# Altium PCB Archim.PcbDoc (part 5 of 5)
Units mil, origin at the board's own origin, x right, y up, seen from the top; angles counter-clockwise.
Board outline 4100 x 4050 mil, 4 copper layers (Top Layer, Ground Plane, Power Plane, Bottom Layer), stack 59.2 mil thick; 511 components, 264 nets, 1461 pads, 1193 vias.
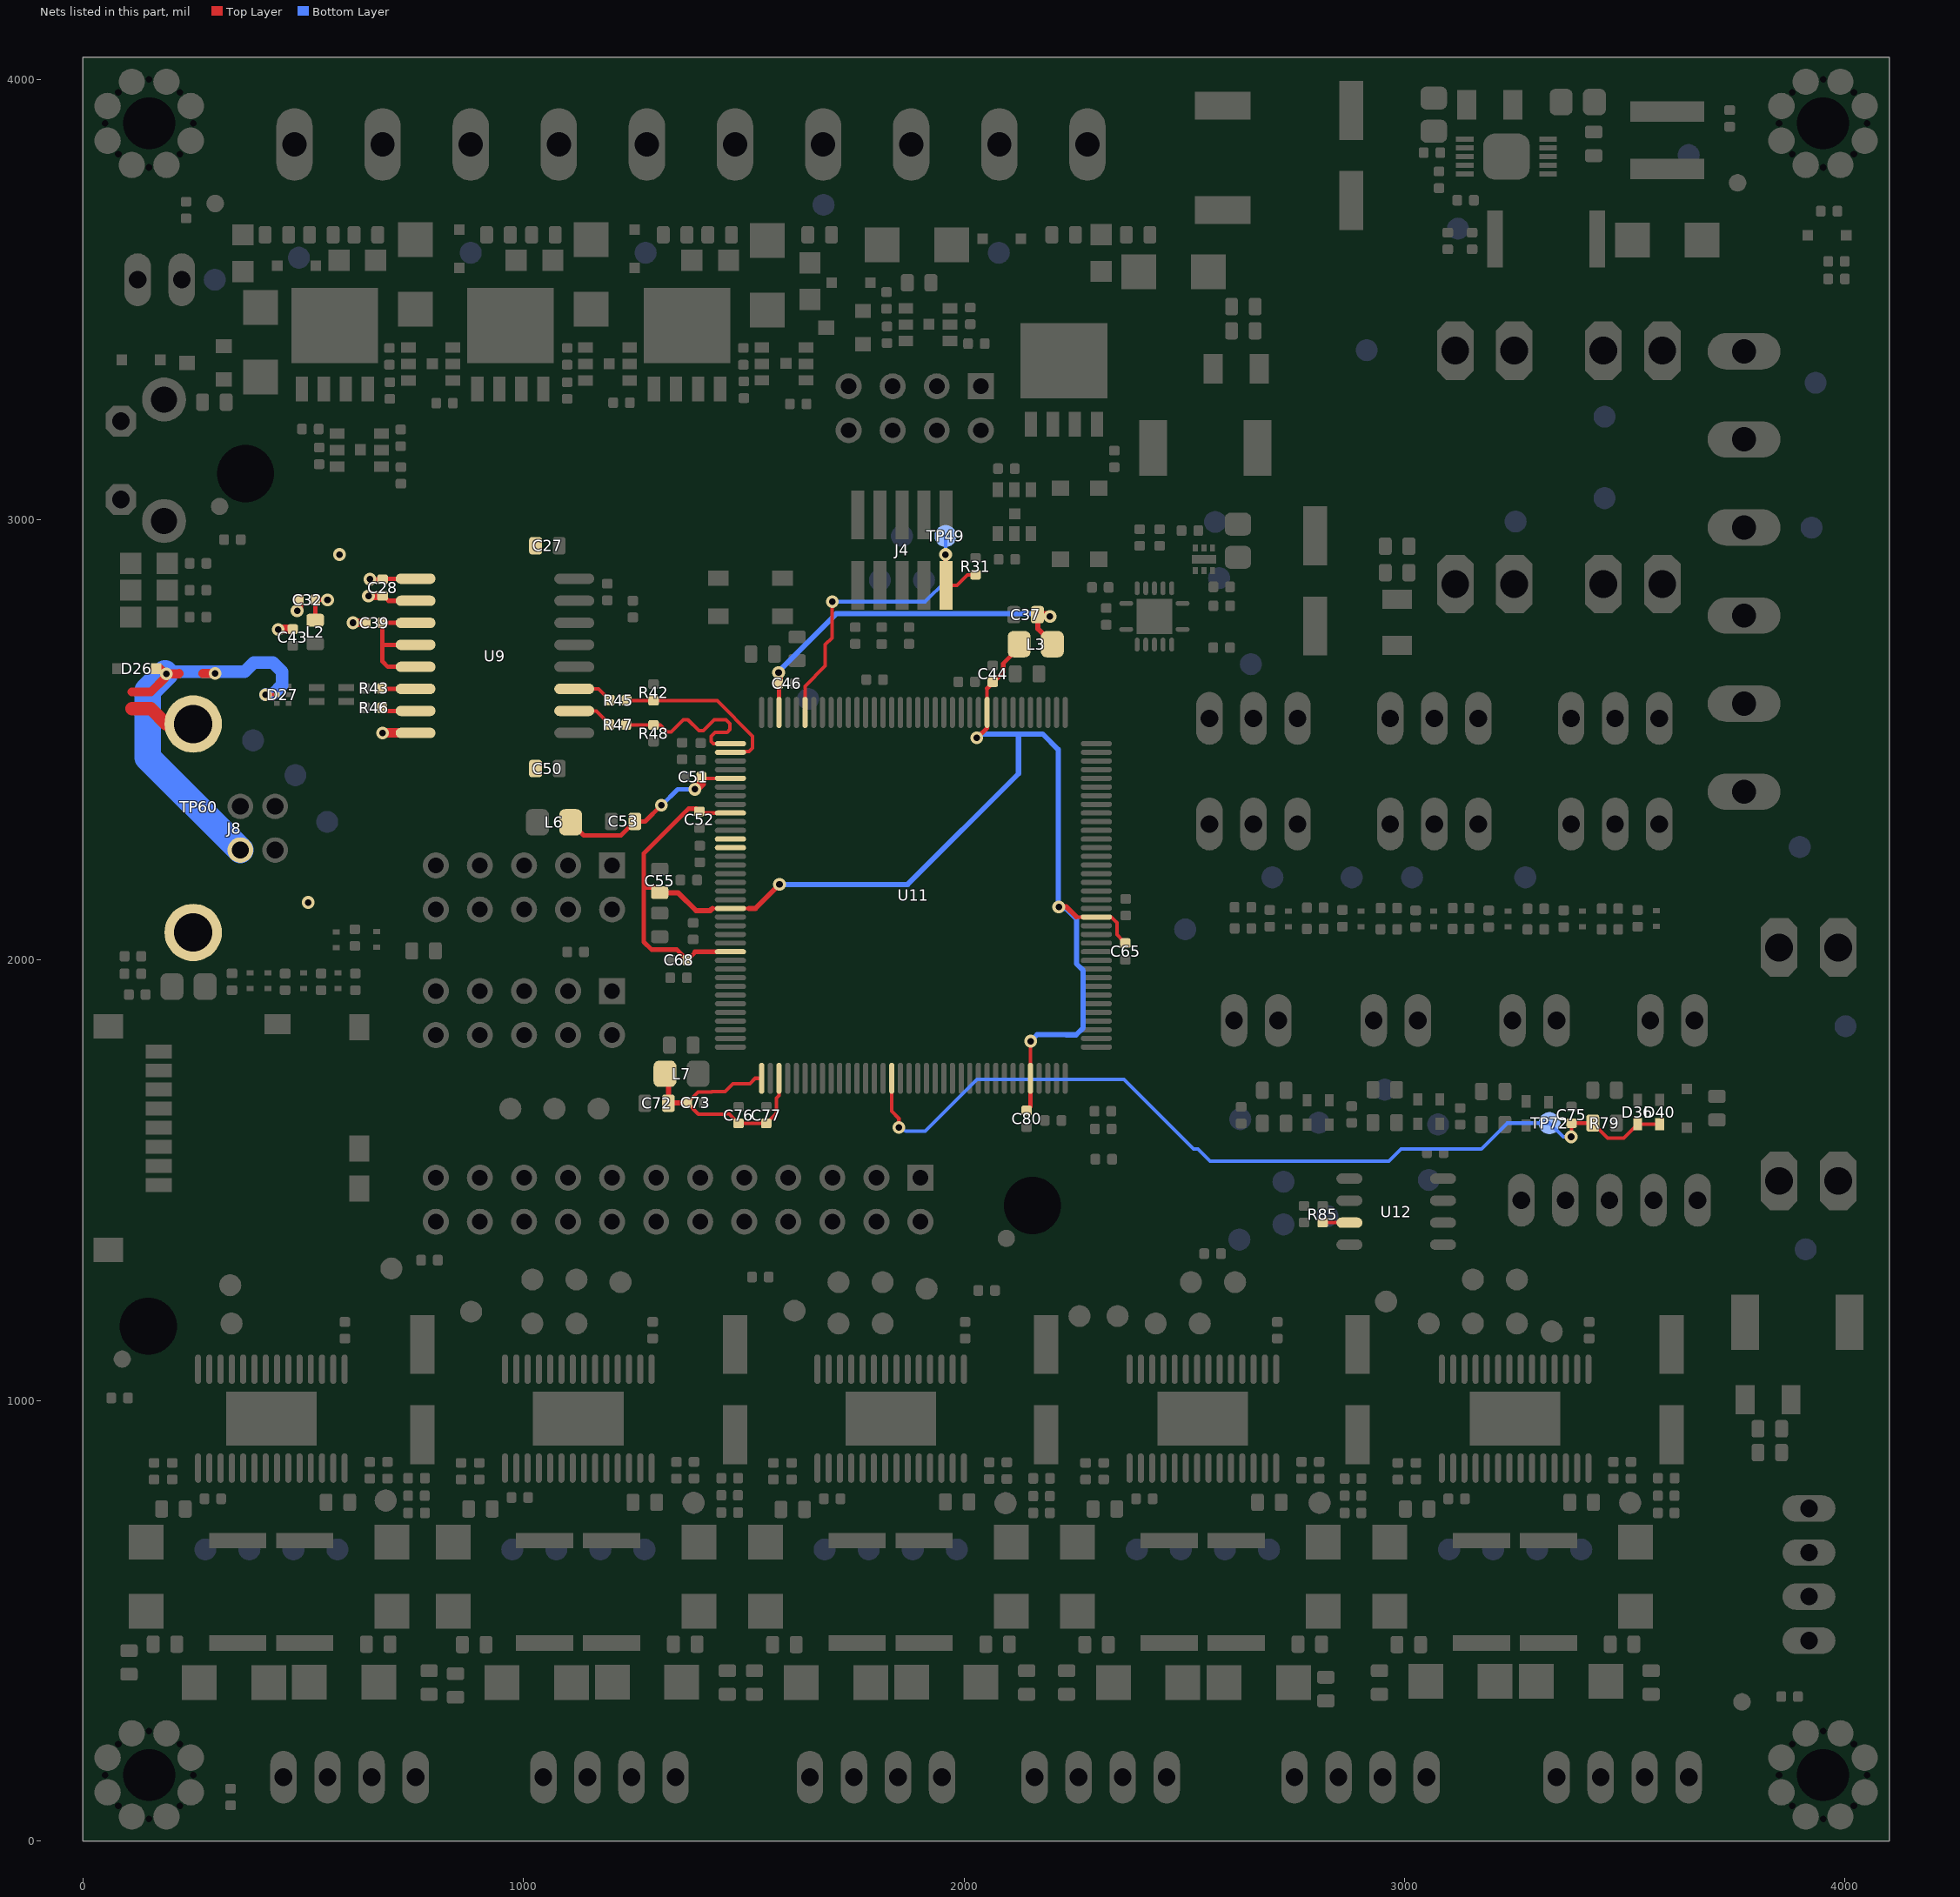
[diagram p7: the nets of this part, all layers, seen from the top]

## Via types
v1: diameter 29, hole 15, Top Layer to Bottom Layer, tented both sides, 953 vias
v2: diameter 30, hole 15, Top Layer to Bottom Layer, tented both sides, 105 vias
v3: diameter 30, hole 14, Top Layer to Bottom Layer, tented both sides, 99 vias
v4: diameter 40, hole 24, Top Layer to Bottom Layer, 16 vias
v5: diameter 30, hole 15, Top Layer to Bottom Layer, 9 vias
v6: diameter 25, hole 10, Top Layer to Bottom Layer, tented both sides, 4 vias
v7: diameter 50, hole 30, Top Layer to Bottom Layer, 2 vias
v8: diameter 40, hole 20, Top Layer to Bottom Layer, tented both sides, 1 vias
v9: diameter 34, hole 20, Top Layer to Bottom Layer, tented both sides, 1 vias
v10: diameter 40, hole 24, Top Layer to Bottom Layer, tented both sides, 1 vias
v11: diameter 38, hole 22, Top Layer to Bottom Layer, tented both sides, 1 vias
v12: diameter 45, hole 24, Top Layer to Bottom Layer, 1 vias

## Nets (pads, with @x,y where several pads share a name; then routed paths per layer and width w, separated by ;. In a path a pad name is that pad's centre, name@x,y a point inside that pad or via, vN(x,y) a via of type N, cw(c..) or ccw(c..) an arc to the next point about the centre after c; other vN are vias at no path point) (continued)
THERM_AN4: C75.1 D36.A D40.C R79.2 TP72.1 U11.88 | length 2094.6
  Top Layer w8: U11.88@1835.79,1731.75 1835.79,1657 1852,1640.79 v1(1852,1620) ; v1(3378,1599) 3367,1599 3379,1611 C75.1@3379,1629.73 3379.26,1630 R79.2@3427.23,1630 3461.22,1596 3497.56,1596 D36.A@3529,1627.44 D40.C@3579,1627.44
  Bottom Layer w8: v1(1852,1620) 1868.5,1611.5 1911.5,1611.5 2029,1729 2362.57,1729 2520.71,1570.87 2530.92,1570.87 2558.29,1543.5 2964.32,1543.5 2991.69,1570.87 3174.21,1570.87 3233.35,1630 TP72.1@3329,1630 3360,1599 v1(3378,1599)
TMS/SWDIO: J4.2 R31.1 TP49.1 U11.31 | length 805
  Top Layer w8: U11.31@1638.5,2562.89 U11.31@1638.94,2562.46 1638.94,2621.94 1685,2668 1685,2716.28 1700,2731.28 1700,2813 v1(1701,2814) ; v1(1958,2921) v1@1958.9,2920.1 ; J4.2@1959,2851.08 1983.92,2851.08 2007.94,2875.1 R31.1@2026,2875.1
  Top Layer w12: v1(1958,2921) 1958.17,2909.2 J4.2@1959,2851.08
  Bottom Layer w8: v1(1701,2814) 1911.91,2814 1958,2860.09 v1(1958,2921) TP49.1@1958,2963
UD_N: R43.1 U9.6 | length 74.9
  Top Layer w10: R43.1@680,2616 U9.6@754.88,2616
UD_P: R46.1 U9.7 | length 76.9
  Top Layer w10: R46.1@678,2566 U9.7@754.88,2566
UI_N: R45.2 U9.11 | length 91.9
  Top Layer w8: U9.11@1115.12,2616 1170.22,2616 R45.2@1196.23,2590
UI_P: R47.2 U9.10 | length 93.9
  Top Layer w8: U9.10@1115.12,2566 1165.22,2566 R47.2@1196.23,2535
UMCU_N: R42.2 R45.1 U11.38 | length 400.8
  Top Layer w8: R45.1@1233.9,2590 1234.9,2589 R42.2@1295,2589 1439.32,2589 1520,2508.32 1520,2481.91 1512.1,2474.01 1471.75,2474.01 U11.38@1469.65,2471.91
UMCU_P: R47.1 R48.2 U11.37 | length 398.1
  Top Layer w8: R47.1@1232.9,2535 1233.9,2534 R48.2@1295,2534 1310.36,2534 1325.86,2518.5 1335.5,2518.5 1362.9,2545.9 1373.1,2545.9 1398,2521 1408,2521 1432.9,2545.9 1459.79,2545.9 1468.69,2537 1468.69,2523.69 1462,2517 1435,2517 1426,2508 1426,2496.32 1430.73,2491.59 U11.37@1469.65,2491.59
USBSHIELD: C27.1 C28.2 C32.2 C39.2 C43.1 C50.1 D26.A D27.2 J8.4 J8.5 J8.6 TP60.1 U9.2 U9.8 | length 1508.6
  Top Layer w8: v1(414,2602.81) D27.2@439.71,2602.81
  Top Layer w10: C28.2@680,2827 682.76,2827 693.76,2816 U9.2@754.88,2816
  Top Layer w20: 111,2609 153.9,2609 154,2608.9 186,2640.9 v1@186,2651 ; D26.A@164,2662 D26.A@166,2662 175,2662 v1@186,2651 ; v1@188,2649 v1@186,2651 ; v1(189,2650) 217.23,2650 218.23,2651 ; 271.77,2651 v1(300,2651) ; v1(443,2751) 443.7,2751.7 C43.1@476,2751.7 ; v1(486,2793) 490,2793 C32.2@490,2818 ; v1(613,2766) C39.2@642,2766 ; v1(648,2827) C28.2@680,2827
  Top Layer w22: v1(680,2516) U9.8@754.88,2516
  Top Layer w30: 111,2571.3 111.3,2571 154,2571 188.78,2536.22 J8.5@250,2536.22
  Bottom Layer w29: v1@186,2651 189.72,2654.72 366.72,2654.72 387.81,2675.81 430.91,2675.81 452,2654.72 452,2624.9 430.91,2603.81 415,2603.81 v1(414,2602.81)
  Bottom Layer w60: v1@186,2651 147,2612 147,2460 J8.4@357,2250
  other v1: 511,2131 582,2921
VDD1: C39.1 U9.3 U9.4 U9.5 | length 318.8
  Top Layer w10: U9.5@754.88,2666 692,2666 679.7,2678.3 679.7,2717 ; U9.4@754.88,2716 680.7,2716 679.7,2717 ; U9.3@754.88,2766 C39.1@679.7,2766 679.7,2717
VDDANA: C72.2 C73.1 C76.1 C77.1 L7.2 U11.73 U11.75 | length 623
  Top Layer w8: U11.73@1540.51,1731.75 1525.75,1731.75 1513.5,1719.5 1475.5,1719.5 1473.5,1717.5 1473.5,1717.44 1457.56,1701.5 1427.44,1701.5 1426.94,1701 1396.3,1701 C73.1@1371.3,1676 1396.8,1650.5 1458.56,1650.5 1459.06,1651 1466.3,1651 C76.1@1488,1629.3 C77.1@1551,1629.3 1574,1652.3 1574,1686.79 1579.88,1692.67 U11.75@1579.88,1731.75
  Top Layer w12: L7.2@1316,1742 1329.23,1728.77 C72.2@1329.23,1674.46 ; C72.2@1328.77,1674 C72.2@1329.23,1674.46 ; C72.2@1329.23,1674 C72.2@1329.23,1674.46 ; C73.1@1371.3,1676 1330.77,1676 C72.2@1329.23,1674.46
VDDOUT: C44.1 C52.1 C55.2 C65.1 C68.1 C80.1 L3.1 U11.10 U11.45 U11.56 U11.61 U11.104 U11.124 | length 3358
  Top Layer w8: C52.1@1392.7,2344 C52.1@1399,2337.7 1402.59,2334.11 U11.45@1469.65,2334.11 ; 1429,2117.57 U11.56@1469.65,2117.57 1511.43,2117.57 ; U11.10@2052.32,2562.46 2052.32,2617.02 ; U11.104@2150.75,1720 U11.104@2150.75,1731.75 2150.75,1815.75 v1(2151,1816) ; 2254.33,2098.67 2255.11,2097.89 U11.124@2300.35,2097.89 2334.1,2097.89 2346.79,2085.21 2346.79,2057.91 C65.1@2360,2044.7
  Top Layer w10: C55.2@1318.54,2153.23 1306.77,2165 1273,2165 ; 1388,2019.15 1390.85,2019.15 ; C52.1@1392.7,2344 1374.52,2344 1273,2242.48 1273,2165 ; U11.61@1469.65,2019.15 1390.85,2019.15 ; v1(2029,2505) 2039.02,2515.02 2040.05,2515.02 2052.32,2527.29 U11.10@2052.32,2562.46 ; 2052.32,2617.02 C44.1@2065.3,2630 ; C44.1@2065,2629.3 2089,2653.3 2089,2673.65 2125.6,2710.24 L3.1@2125.6,2719 ; C80.1@2150.75,1667.45 U11.104@2150.75,1720 ; 1273,2165 1273,2041.42 1290.42,2024 1347.7,2024 C68.1@1371.7,2000 1390.85,2019.15
  Top Layer w12: C55.2@1318.54,2153.23 1350.66,2153.23 1391.39,2112.5 1423.64,2112.5 1426.64,2115.5 1426.93,2115.5 1429,2117.57 ; 1511.43,2117.57 1526.62,2117.57 v1(1581,2172) ; v1(2215,2121) 2232,2121 2254.33,2098.67
  Bottom Layer w12: v1(1581,2172) 1872.1,2172 2123.5,2423.4 2123.5,2512.5 2122.5,2513.5 ; v1(2029,2505) 2037.5,2513.5 2122.5,2513.5 ; v1(2151,1816) 2166,1831 2231.11,1831 2231.61,1830.5 2254.39,1830.5 2270.5,1846.61 2270.5,1976.5 2255.03,1991.97 2255.03,2093.86 2231.89,2117 2213.5,2117 2213.5,2478.39 2178.39,2513.5 2122.5,2513.5
VDDPLL: C37.2 C46.1 L3.2 U11.34 | length 877.5
  Top Layer w10: U11.34@1579.88,2562.46 C46.1@1579.88,2628.42
  Top Layer w12: C46.1@1576,2632.3 C46.1@1579.88,2628.42 ; C37.2@2167.77,2782.85 2167.77,2752.23 L3.2@2201,2719 ; v1(2194.99,2780.65) 2194.99,2780.99 v1@2196.85,2782.85
  Top Layer w20: C46.1@1577,2633.3 1579,2635.3 v1(1579,2653) ; C37.2@2167.77,2782.85 v1@2196.85,2782.85
  Bottom Layer w12: v1@1576.55,2653.45 1709.53,2786.42 2166.47,2786.42 2172.24,2780.65 v1(2194.99,2780.65)
VDDUTMI: C51.1 C53.2 L6.2 U11.41 | length 440.2
  Top Layer w8: v1(1389,2388) v1@1391.06,2388 ; C51.1@1403.7,2416 1406.85,2412.85 U11.41@1469.65,2412.85
  Top Layer w10: L6.2@1107,2313 1136.69,2283.31 1221.09,2283.31 C53.2@1252.77,2315 1276,2315 v1(1313,2352)
  Top Layer w20: v1@1391.06,2388 1403.7,2400.64 C51.1@1403.7,2416
  Bottom Layer w10: v1(1313,2352) 1314,2352 1350,2388 v1(1389,2388)
VUSB: C28.1 C32.1 L2.1 U9.1 | length 175.8
  Top Layer w10: L2.1@527,2771.77 527,2817.3 C32.1@527.7,2818 v1(555,2818) ; v1(651,2865) 651.3,2864.7 C28.1@680,2864.7 ; C28.1@682,2866 U9.1@754.88,2866
WP#: R85.1 U12.3 | length 60.7
  Top Layer w8: R85.1@2814,1404.1 2814.1,1404 U12.3@2874.7,1404
XIN32: U11.48
XOUT32: U11.49
pads on no net: FD1.1 FD2.1 FD3.1 H1.0 H2.0 H3. H4. H5. H6.0 H7.0 J4.7 S2.2 S2.4 U2.5 U3.5 U4.5 U5.5 U6.5 U7.5 U8.5 U13.18 U13.23 U13.27 U14.18 U14.23 U14.27 U15.18 U15.23 U15.27 U16.18 U16.23 U16.27 U17.18 U17.23 U17.27

## Polygon pours and split planes (outlines as drawn)
GND on Top Layer "DirectConnect" (solid, pour order 233): 2364,3260 2364,3066 2493,3066 2493,3249 2493,3260
+12VCC3 on Top Layer "DirectConnect" (solid, pour order 229): 20 vertices, not listed, extent 2184,3184 2977,3981
+12VCC2 on Top Layer "DirectConnect" (solid, pour order 246): 554,3639 554,3661 586,3693 586,3944 621,3979 727,3979 765,3941 765,3766 789,3742 789,3617 775,3603 726,3603 697,3632 560,3632 555,3637
HTR0 on Top Layer "DirectConnect" (solid, pour order 243): 580,3636 580,3939 539,3980 425,3980 389,3944 389,3774.99 438,3726 494,3670 494,3636
+12VCC2 on Top Layer "DirectConnect" (solid, remove dead copper, pour order 262): 1791,3942 1829,3980 1900,3980 1938,3980 1974,3944 1974,3712 2009,3677 2009,3548 1977,3516 1914.22,3516 1906,3524.22 1906,3681 1791,3796
FN1 on Top Layer "DirectConnect" (solid, remove dead copper, pour order 260): 29 vertices, not listed, extent 1587,3408 1882,3982
FGND on Top Layer "DirectConnect" (solid, pour order 256): 3954.33,265.55 3954.33,294.68 3940.03,308.98 3845.2,308.98 3820.47,284.25 3820.47,163.19 3821.46,162.2
FGND on Top Layer "DirectConnect" (solid, pour order 257): 265.55,154.33 295.47,154.33 309.06,140.75 309.06,45.28 284.25,20.47 163.19,20.47 162.2,21.46
FGND on Top Layer "DirectConnect" (solid, pour order 258): 145.67,3784.45 145.67,3759.33 163,3742 255.78,3742 279.53,3765.75 279.53,3886.81 278.54,3887.8
+12VCC2 on Top Layer "DirectConnect" (solid, pour order 245): 954,3639 954,3661 986,3693 986,3944 1021,3979 1127,3979 1165,3941 1165,3766 1189,3742 1189,3617 1175,3603 1126,3603 1097,3632 960,3632 955,3637
HTR1 on Top Layer "DirectConnect" (solid, pour order 242): 948,3649 948,3665 961,3678 972,3689 972,3942 934,3980 826,3980 786,3940 786,3776 873,3689 873,3649
GND on Top Layer "DirectConnect" (solid, pour order 232): 2715,2715 2875,2715 2875,2799 2833,2841 2734,2841 2715,2822 2715,2765
GND on Top Layer "DirectConnect" (solid, pour order 230): 2459,3984 2571,3872 2978,3872 2978,3984
NetF3_1 on Top Layer "PWR IN" (solid, pour order 228): 3807,2516 3759,2468 3759,2295 3792,2262 3792,1940 3831,1901 3993,1901 4012,1920 4012,2162 4012,2466 3962,2516
GND on Top Layer "Top Layer-MTR +" (solid, pour order 137): 783,1192.36 729,1192.36 711,1174.36 711,1081.36 722,1070.36 730,1062.36 783,1062.36
GND on Top Layer "Top Layer-MTR +" (solid, pour order 138): 1493,1192.36 1439,1192.36 1421,1174.36 1421,1081.36 1432,1070.36 1440,1062.36 1493,1062.36
GND on Top Layer "Top Layer-MTR +" (solid, pour order 139): 2199,1192.36 2145,1192.36 2127,1174.36 2127,1081.36 2138,1070.36 2146,1062.36 2199,1062.36
GND on Top Layer "Top Layer-MTR +" (solid, pour order 140): 2906,1192.36 2852,1192.36 2834,1174.36 2834,1081.36 2845,1070.36 2853,1062.36 2906,1062.36
GND on Top Layer "Top Layer-MTR +" (solid, pour order 141): 3619,1192.36 3565,1192.36 3547,1174.36 3547,1081.36 3558,1070.36 3566,1062.36 3619,1062.36
+12VCC1 on Top Layer "Top Layer-MTR +" (solid, pour order 142): 779,989 725,989 707,971 707,878 718,867 726,859 779,859
+12VCC1 on Top Layer "Top Layer-MTR +" (solid, pour order 143): 1489,989 1435,989 1417,971 1417,878 1428,867 1436,859 1489,859
+12VCC1 on Top Layer "Top Layer-MTR +" (solid, pour order 144): 2195,989 2141,989 2123,971 2123,878 2134,867 2142,859 2195,859
+12VCC1 on Top Layer "Top Layer-MTR +" (solid, pour order 145): 2902,989 2848,989 2830,971 2830,878 2841,867 2849,859 2902,859
+12VCC1 on Top Layer "Top Layer-MTR +" (solid, pour order 146): 3615,989 3561,989 3543,971 3543,878 3554,867 3562,859 3615,859
GND on Top Layer "DirectConnect" (solid, pour order 160): 3354,3773 3326,3745 3238,3745 3188,3695 3188,3572 3313,3572 3362,3621 3364,3623 3364,3756 3364,3773
NetC6_2 on Top Layer "DirectConnect" (solid, pour order 159): 18 vertices, not listed, extent 3368,3580 3715,3850
NetD2_A on Top Layer "DirectConnect" (solid, pour order 158): 3371,3806 3371,3670 3371,3621 3420,3572 3533,3572 3557,3596 3557,3685 3545,3697 3528,3697 3447,3778 3420,3805 3374,3805
+12VCC1 on Top Layer "DirectConnect" (solid, remove dead copper, pour order 172): 4067.91,1650 3711.61,1650 3711.61,1046.26 3835,1046.26 3835,950 3835,504.92 4067.91,504.92
GND on Top Layer "DirectConnect" (solid, remove dead copper, pour order 156): 3899.01,1069.85 3899.01,1054.85 4079.01,1054.85 4079.01,1304.85 3979.01,1304.85 3899.01,1304.85
+12VCC1 on Top Layer "Top Layer-MTR +" (solid, pour order 180): 1040,817 1040,805 1028,793 1027,792 1027,793 1020.5,750.5 1003,733 959,712 935,712 920,727 914,733 914,775 919,780 991,780 1028,817
+12VCC1 on Top Layer "Top Layer-MTR +" (solid, pour order 185): 1263,783 1263,774 1298,739 1316,739 1316,729 1320,725 1313,710 1263,710 1234,739 1234,783
NetR124_2 on Top Layer "Motor-Thermal" (solid, pour order 157): 1136,641 1136,722 1162,748 1162,808.53 1162.69,809.21 1177.92,793.98 1177.92,749.08 1197,730 1233,730 1264,699 1264,641
NetR123_2 on Top Layer "Motor-Thermal" (solid, pour order 155): 1111.6,641 1111.6,722 1085.6,748 1085.6,808.53 1084.92,809.21 1069.68,793.98 1069.68,749.08 1050.6,730 1014.6,730 983.6,699 983.6,641
GND on Top Layer "Motor-Thermal" (solid, pour order 190): 983,321 983,629 1133,629 1265,629 1265,321
GND on Top Layer "Motor-Thermal" (solid, pour order 195): 1333.5,656.2 1333.5,638.5 1390.8,581.2 1435.5,581.2 1450.5,596.2 1450.5,733.2 1443.5,740.2 1401.5,740.2 1343.5,740.2 1333.5,730.2
GND on Top Layer "Motor-Thermal" (solid, pour order 196): 906.1,653.51 906.1,642.51 842.1,578.51 804.1,578.51 804.1,737.51 838.1,737.51 904.17,737.51 906.1,735.57
+12VCC1 on Top Layer "Top Layer-MTR +" (solid, pour order 181): 1750.12,817 1750.12,805 1738.12,793 1737.12,792 1737.12,793 1730.62,750.5 1713.12,733 1669.12,712 1645.12,712 1630.12,727 1624.12,733 1624.12,775 1629.12,780 1701.12,780 1738.12,817
+12VCC1 on Top Layer "Top Layer-MTR +" (solid, pour order 186): 1972.12,783 1972.12,774 2007.12,739 2025.12,739 2025.12,729 2029.12,725 2022.12,710 1972.12,710 1943.12,739 1943.12,783
NetR126_2 on Top Layer "Motor-Thermal" (solid, pour order 154): 1845,641 1845,722 1871,748 1871,808.53 1871.69,809.21 1886.92,793.98 1886.92,749.08 1906,730 1942,730 1973,699 1973,641
NetR125_2 on Top Layer "Motor-Thermal" (solid, pour order 153): 1820.72,641 1820.72,722 1794.72,748 1794.72,808.53 1794.03,809.21 1778.8,793.98 1778.8,749.08 1759.72,730 1723.72,730 1692.72,699 1692.72,641
GND on Top Layer "Motor-Thermal" (solid, pour order 197): 2045,654 2045,643 2109,579 2147,579 2162,594 2162,731 2155,738 2113,738 2055,738 2045,728
GND on Top Layer "Motor-Thermal" (solid, pour order 198): 1621.1,651.76 1621.1,640.76 1557.1,576.76 1519.1,576.76 1511.1,584.76 1511.1,735.76 1553.1,735.76 1611.1,735.76 1621.1,725.76
GND on Top Layer "Motor-Thermal" (solid, pour order 191): 1692.12,321 1692.12,629 1842.12,629 1974.12,629 1974.12,321
GND on Top Layer "Motor-Thermal" (solid, pour order 205): 1697.12,1030 1697.12,886 1958.12,886 1958.12,1030 1859.12,1030
+12VCC1 on Top Layer "Top Layer-MTR +" (solid, pour order 182): 2457.72,817 2457.72,805 2445.72,793 2444.72,792 2444.72,793 2438.22,750.5 2420.72,733 2376.72,712 2352.72,712 2337.72,727 2331.72,733 2331.72,775 2336.72,780 2408.72,780 2445.72,817
+12VCC1 on Top Layer "Top Layer-MTR +" (solid, pour order 187): 2681.72,783 2681.72,774 2716.72,739 2734.72,739 2734.72,729 2738.72,725 2731.72,710 2681.72,710 2652.72,739 2652.72,783
NetR128_2 on Top Layer "Motor-Thermal" (solid, pour order 152): 2553.72,641 2553.72,722 2579.72,748 2579.72,808.53 2580.4,809.21 2595.64,793.98 2595.64,749.08 2614.72,730 2650.72,730 2681.72,699 2681.72,641
NetR127_2 on Top Layer "Motor-Thermal" (solid, pour order 151): 2530.32,641 2530.32,722 2504.32,748 2504.32,808.53 2503.63,809.21 2488.4,793.98 2488.4,749.08 2469.32,730 2433.32,730 2402.32,699 2402.32,641
GND on Top Layer "Motor-Thermal" (solid, pour order 199): 2750.5,654.2 2750.5,639.47 2810.78,579.2 2852.5,579.2 2867.5,594.2 2867.5,731.2 2860.5,738.2 2818.5,738.2 2760.5,738.2 2750.5,728.2
GND on Top Layer "Motor-Thermal" (solid, pour order 200): 2332.1,652.51 2332.1,641.51 2268.1,577.51 2230.1,577.51 2222.1,585.51 2222.1,736.51 2264.1,736.51 2322.1,736.51 2332.1,726.51
GND on Top Layer "Motor-Thermal" (solid, pour order 206): 2406.72,1030 2406.72,886 2667.72,886 2667.72,1030 2568.72,1030
+12VCC1 on Top Layer "Top Layer-MTR +" (solid, pour order 183): 3167.58,817 3167.58,805 3155.58,793 3154.58,792 3154.58,793 3148.08,750.5 3130.58,733 3086.58,712 3062.58,712 3047.58,727 3041.58,733 3041.58,775 3046.58,780 3118.58,780 3155.58,817
+12VCC1 on Top Layer "Top Layer-MTR +" (solid, pour order 188): 3390.58,783 3390.58,774 3425.58,739 3443.58,739 3443.58,729 3447.58,725 3440.58,710 3390.58,710 3361.58,739 3361.58,783
NetR130_2 on Top Layer "Motor-Thermal" (solid, pour order 150): 3262.58,641 3262.58,722 3288.58,748 3288.58,808.53 3289.26,809.21 3304.5,793.98 3304.5,749.08 3323.58,730 3359.58,730 3390.58,699 3390.58,641
NetR129_2 on Top Layer "Motor-Thermal" (solid, pour order 149): 3239.18,641 3239.18,722 3213.18,748 3213.18,808.53 3212.49,809.21 3197.26,793.98 3197.26,749.08 3178.18,730 3142.18,730 3111.18,699 3111.18,641
GND on Top Layer "Motor-Thermal" (solid, pour order 201): 3456.5,659.26 3456.5,642.5 3514.74,584.26 3558.5,584.26 3577,602.76 3577,732.76 3566.5,743.26 3524.5,743.26 3466.5,743.26 3456.5,733.26
GND on Top Layer "Motor-Thermal" (solid, pour order 202): 3041.1,652.51 3041.1,641.51 2977.1,577.51 2939.1,577.51 2926,590.61 2926,731.41 2931.1,736.51 2973.1,736.51 3031.1,736.51 3041.1,726.51
GND on Top Layer "Motor-Thermal" (solid, pour order 207): 3113.58,1030 3113.58,886 3374.58,886 3374.58,1030 3275.58,1030
+12VCC1 on Top Layer "Top Layer-MTR +" (solid, pour order 184): 344.14,817 344.14,805 332.14,793 331.14,792 331.14,793 324.64,750.5 307.14,733 263.14,712 239.14,712 224.14,727 218.14,733 218.14,775 223.14,780 295.14,780 332.14,817
+12VCC1 on Top Layer "Top Layer-MTR +" (solid, pour order 189): 566.14,783 566.14,774 601.14,739 619.14,739 619.14,729 623.14,725 616.14,710 566.14,710 537.14,739 537.14,783
NetR122_2 on Top Layer "Motor-Thermal" (solid, pour order 148): 439.14,641 439.14,722 465.14,748 465.14,808.53 465.83,809.21 481.07,793.98 481.07,749.08 500.14,730 536.14,730 567.14,699 567.14,641
NetR121_2 on Top Layer "Motor-Thermal" (solid, pour order 147): 415.74,641 415.74,722 389.74,748 389.74,808.53 389.06,809.21 373.82,793.98 373.82,749.08 354.74,730 318.74,730 287.74,699 287.74,641
GND on Top Layer "Motor-Thermal" (solid, pour order 203): 636.5,659.26 636.5,638.9 691.14,584.26 738.5,584.26 753.5,599.26 753.5,736.26 746.5,743.26 704.5,743.26 646.5,743.26 636.5,733.26
GND on Top Layer "Motor-Thermal" (solid, pour order 204): 208,637 155,584 101.74,584 86.74,599 86.74,736 120.74,770 192.64,770 208,754.64
GND on Top Layer "Motor-Thermal" (solid, pour order 192): 285.14,321 285.14,629 435.14,629 567.14,629 567.14,321
GND on Top Layer "Motor-Thermal" (solid, pour order 193): 2400.72,321 2400.72,629 2550.72,629 2682.72,629 2682.72,321
GND on Top Layer "Motor-Thermal" (solid, pour order 194): 3109.58,321 3109.58,629 3259.58,629 3391.58,629 3391.58,321
GND on Top Layer "Motor-Thermal" (solid, pour order 208): 298.14,1030 298.14,886 559.14,886 559.14,1030 460.14,1030
GND on Top Layer "Motor-Thermal" (solid, pour order 209): 997,1030 997,886 1258,886 1258,1030 1159,1030
GND on Top Layer "Top Layer-MTR GND" (solid, remove dead copper, pour order 162): 2942,1277.56 2942,543 3664.37,543 3664.37,1277.56
GND on Top Layer "Top Layer-MTR GND" (solid, remove dead copper, pour order 164): 2224,1145 2224,543 2902,543 2902,1300 2394,1300 2239,1145
GND on Top Layer "Top Layer-MTR GND" (solid, remove dead copper, pour order 166): 1526,1300 1526,545 2195,545 2195,1258.5 2017.5,1258.5 1976,1300
GND on Top Layer "Top Layer-MTR GND" (solid, remove dead copper, pour order 168): 819,1300 819,541 1481,541 1481,1300
GND on Top Layer "Top Layer-MTR GND" (solid, remove dead copper, pour order 170): 64.57,1300 64.57,547 766,547 766,1300
USBSHIELD on Top Layer "USB Shield" (solid, pour order 211): 466,2049 824,2407 1035,2407 1048,2420 1048,2426 1048,2953 1036,2965 587,2965 552,2930 322,2700 83,2700 83,2496 83,2049
GND on Top Layer "MCU GND" (solid, pour order 213): 1496,2493 1541,2538 2049,2538 2222,2365 2222,1770 2204,1752 1537,1752 1496,1793
GND on Top Layer "Crystal" (solid, pour order 214): 1625,2631 1667,2673 1667,2718 1667,2878 1621,2924 1425,2924 1390,2889 1390,2738 1430,2698 1497,2631 1625,2631
HTR0 on Top Layer "DirectConnect" (solid, pour order 215): 454,3337 809,3337 809,3582 627,3582 627,3665 494,3665 406,3665 406,3538 454,3538
HTR1 on Top Layer "DirectConnect" (solid, pour order 216): 820,3337 1208,3337 1208,3586 1030,3586 1030,3622 1030,3665 820,3665 820,3336
HTRA on Top Layer "DirectConnect" (solid, pour order 217): 1222,3337 1481,3337 1481,3278 1607,3278 1607,3580 1435,3580 1435,3621 1435,3663 1222,3663
HTBD on Top Layer "DirectConnect" (solid, pour order 218): 2020,3278 2062,3278 2062,3262 2363,3262 2363,3215 2565,3215 2565,3600 2371,3600 2240,3600 2240,3661 2020,3661 2020,3303
GND on Top Layer "DirectConnect" (solid, pour order 249): 2103,3248 2103,3157 2279,3157 2279,3248 2103,3248
GND on Top Layer "DirectConnect" (solid, pour order 253): 1253,3326 1418,3326 1418,3238 1252,3238 1252,3326
GND on Top Layer "DirectConnect" (solid, pour order 254): 853,3326 853,3239 1017,3239 1017,3326 853,3326
GND on Top Layer "DirectConnect" (solid, pour order 255): 456,3324 616,3324 616,3238 455,3238 455,3326
GND on Top Layer "DirectConnect" (solid, pour order 136): 3932.09,3524.61 3941.93,3534.45 3941.93,3656.5 3941.93,3693.9 3922.24,3713.58 3882.87,3713.58 3869.09,3699.8 3862.2,3692.91 3862.2,3524.61
FGND on Top Layer "SDfgnd" (solid, remove dead copper, pour order 133): 32.12,1869.31 32.12,1326 642.36,1326 642.36,1869.31 32.12,1869.31
GND on Top Layer "FlashGND" (solid, remove dead copper, pour order 135): 2864.17,1323.82 2864.17,1539.37 3055.12,1539.37 3055.12,1323.82
HTRA on Top Layer "DirectConnect" (solid, pour order 241): 1348.95,3640 1348.95,3670.95 1370,3692 1370,3944 1336,3978 1334,3980 1230,3980 1193,3943 1193,3765 1271,3687 1271,3640
+12VCC2 on Top Layer "DirectConnect" (solid, pour order 244): 1354,3639 1354,3661 1386,3693 1386,3944 1421,3979 1527,3979 1565,3941 1565,3766 1589,3742 1589,3617 1575,3603 1526,3603 1497,3632 1360,3632 1355,3637
HTBD on Top Layer "DirectConnect" (solid, pour order 240): 2230.93,3667.07 2172,3726 2172,3940 2131,3981 2030,3981 1993,3944 1993,3729.37 2061.37,3661 2061.37,3647.63 2071,3638 2219,3638 2231,3650
+12VCC3 on Top Layer "24mil" (solid, pour order 264): 24 vertices, not listed, extent 2714,2971 3666,3602
+12VCC2 on Top Layer "DirectConnect" (solid, pour order 268): 22 vertices, not listed, extent 2582,2781 3022.37,3225
GND on Bottom Layer "DirectConnect" (solid, pour order 130): 3829.72,3520.67 3901.57,3520.67 3915.35,3534.45 3915.35,3611.22 3942.91,3638.78 3942.91,3702.09 3921.26,3723.74 3855.63,3723.74 3829.72,3697.83
HTR0 on Bottom Layer "DirectConnect" (solid, pour order 239): 809,3332 809,3682 411,3682 406,3682 406,3332
HTR1 on Bottom Layer "DirectConnect" (solid, pour order 238): 1208,3332 1208,3682 820,3682 820,3333 820,3332
HTRA on Bottom Layer "DirectConnect" (solid, pour order 237): 1222,3332 1428,3332 1483,3277 1608,3277 1608,3682 1222,3682
HTBD on Bottom Layer "DirectConnect" (solid, pour order 236): 2022,3278 2045,3278 2063,3260 2566,3260 2566,3550 2434,3682 2019,3682 2019,3281
+12VCC2 on Bottom Layer "DirectConnect" (solid, pour order 235): 2528,3607 2573.05,3561.95 2578,3564 2954,3564 2954,3802 2893,3863 2675,3863 2557,3981 2412,3981 603,3981 582,3960 582,3722 608,3696 2439,3696
NetF3_1 on Bottom Layer "PWR IN" (solid, pour order 227): 3814,2515 3725,2426 3725,2296 3769,2252 3769,1963 3831,1901 3993,1901 4074,1982 4074,2407 3966,2515
GND on Bottom Layer "Bottom Layer-SMPS GND" (solid, remove dead copper, pour order 179): 2995,3635.84 3063.45,3567.39 3064.62,3565.95 3785,3565.94 3785,4002.95 2995,4002.95 2995,3955
GND on Bottom Layer "Top Layer-No Net" (solid, remove dead copper, pour order 161): 2900,1300 2900,756 3599.13,756 3599.13,1300
+12VCC1 on Bottom Layer "Bottom Layer-MTR PWR" (solid, remove dead copper, pour order 178): 3775,1650 4067.91,1650 4067.91,355 3930,355 3750,355 3626,231 586,231 345,231 226,350 56,520 56,756 3614,756 3614,1305 3775,1305
GND on Bottom Layer "Bot Layer-MTR sense" (solid, pour order 177): 2406,477 2406,537 2529,660 2553,660 2670,543 2670,475
GND on Bottom Layer "Bot Layer-MTR sense" (solid, pour order 175): 1697.4,477 1697.4,537 1820.4,660 1844.4,660 1961.4,543 1961.4,475
GND on Bottom Layer "Bot Layer-MTR sense" (solid, pour order 173): 989.28,477 989.28,537 1112.28,660 1136.28,660 1253.28,543 1253.28,475
GND on Bottom Layer "Bot Layer-MTR sense" (solid, pour order 176): 292.42,477 292.42,537 415.42,660 439.42,660 556.42,543 556.42,475
GND on Bottom Layer "Bot Layer-MTR sense" (solid, pour order 174): 3115.86,477 3115.86,537 3238.86,660 3262.86,660 3379.86,543 3379.86,475
GND on Bottom Layer "Top Layer-No Net" (solid, remove dead copper, pour order 163): 2194,1300 2194,756 2886,756 2886,1300
GND on Bottom Layer "Top Layer-No Net" (solid, remove dead copper, pour order 165): 1488,1300 1488,756 2178,756 2178,1300
GND on Bottom Layer "Top Layer-No Net" (solid, remove dead copper, pour order 167): 777,1300 777,756 1472,756 1472,1300
GND on Bottom Layer "Top Layer-No Net" (solid, remove dead copper, pour order 169): 85.57,1300 85.57,756 763,756 763,1300
GND on Bottom Layer "Coupler Bot GND" (solid, pour order 212): 747,2268 634,2268 611,2291 611,2985 641,3015 1248,3015 1279,2984 1279,2419 1240,2380 859,2380
GND on Bottom Layer "DirectConnect" (solid, pour order 248): 2103.5,3247.37 2103.5,3156.37 2279.5,3156.37 2279.5,3247.37 2103.5,3247.37
GND on Bottom Layer "DirectConnect" (solid, pour order 251): 873.98,3326 1018,3326 1018,3238 873.98,3238
GND on Bottom Layer "DirectConnect" (solid, pour order 250): 454,3324 619,3324 619,3236 453,3236 453,3324
SNTP on Bottom Layer "DirectConnect" (solid, pour order 131): 2387.43,2825.17 2387.43,2736.22 2476.38,2736.22 2476.38,2825.17
GND on Bottom Layer "DirectConnect" (solid, pour order 252): 1275.2,3326 1418,3326 1418,3238 1275.2,3238
+12VCC2 on Bottom Layer "24mil" (solid, pour order 266): 2528,3607 2626,3509 2626,3309 2586,3269 2586,3096 2836,2846 2967,2846 3110,2989 3178,2989 3377,3188 3377,3475 3336,3516 3017,3516 2925,3608
NetF2_1 on Bottom Layer "24mil" (solid, pour order 270): 28 vertices, not listed, extent 3038,2619 3923,3040
NetF1_1 on Bottom Layer "24mil" (solid, pour order 272): 3705,3093 3864,3093 3900,3129 3900,3240 3863,3277 3588,3277 3397,3086 3377,3066 3377,2854 3377,2812 3427,2762 3616,2762 3654,2800 3654,3042
+12VCC3 on Bottom Layer "24mil" (solid, pour order 274): 3421,3209 3431,3199 3480,3199 3518,3237 3573,3292 3603,3292 3639,3292 3659,3312 3663,3316 3663,3377 3663,3469 3629,3503 3429,3503 3421,3495
GND on Bottom Layer "24mil" (solid, pour order 276): 3713,3467 3713,3317 3732,3298 3920,3298 3933,3311 3933,3351 3920,3364 3804,3480 3726,3480
GND on Bottom Layer "24mil" (solid, pour order 278): 3666,3004 3666,2912 3680,2898 3681,2897 3908,2897 3932,2897 3967,2932 3967,3021 3929,3059 3924,3064 3775,3064 3712,3064 3666,3018
GND on Bottom Layer "24mil" (solid, pour order 280): 3645.29,2608.29 3823.29,2608.29 3848,2633 3931,2633 3950,2614 3950,2551 3929,2530 3804,2530 3743,2469 3672,2469 3620,2469 3620,2583
no net on Top Overlay "Logo" (solid): 17 vertices, not listed, extent 440.94,2881.89 542.07,2983.27
HTR1 on Ground Plane (split plane): 1064.9,3367.1 875.1,3367.1 875.1,3516.9 1064.9,3516.9
HTR0 on Ground Plane (split plane): 666.9,3367.1 476.1,3367.1 476.1,3516.9 666.9,3516.9
HTBD on Ground Plane (split plane): 2321.9,3287.1 2131.1,3287.1 2131.1,3436.9 2321.9,3436.9
HTRA on Ground Plane (split plane): 1465.9,3367.1 1276.1,3367.1 1276.1,3516.9 1465.9,3516.9
GND on Ground Plane (split plane): 65 vertices, not listed, extent 83.1,20.1 4014.9,3983.9
USBSHIELD on Ground Plane (split plane): 806.9,2947.89 806.9,2438 806.9,2387.11 537.4,2117.6 464.89,2045.1 83.1,2045.1 83.1,2699.9 319,2699.9 320.95,2700.29 322.6,2701.4 431.6,2810.4 588.11,2966.9 787.89,2966.9
FGND on Ground Plane (split plane): 56 vertices, not listed, extent 20.1,20.1 4079.9,4029.9
no net on Power Plane (split plane): 33 vertices, not listed, extent 3527.03,3860.03 3556.97,3889.97
+5VCC on Power Plane (split plane): 36 vertices, not listed, extent 2993.1,3560.1 4079.9,4029.9
NetF1_1 on Power Plane (split plane): 28 vertices, not listed, extent 3320.21,2761.1 3909.9,3278.9
+5VCC on Power Plane (split plane): 33 vertices, not listed, extent 3116.03,3562.03 3145.97,3591.97
GND on Power Plane (split plane): 2982.9,3556.31 2966.1,3573.11 2966.1,3805 2965.71,3806.95 2964.6,3808.6 2916.6,3856.6 2898.6,3874.6 2896.95,3875.71 2895,3876.1 2679.11,3876.1 2525.31,4029.9 2982.9,4029.9
+12VCC2 on Power Plane (split plane): 49 vertices, not listed, extent 2245.03,3817.03 2314.97,3886.97
HTBD on Power Plane (split plane): 2321.4,3287.1 2131.59,3287.1 2131.59,3436.9 2321.4,3436.9
NetF3_1 on Power Plane (split plane): 54 vertices, not listed, extent 3688.1,1860.1 4012.9,2516.9
NetF2_1 on Power Plane (split plane): 31 vertices, not listed, extent 3038.3,2618.1 3923.9,3104.79
no net on Power Plane (split plane): 49 vertices, not listed, extent 3949.35,1463.8 4019.3,1533.75
no net on Power Plane (split plane): 42 vertices, not listed, extent 3949.35,1993.8 4012.9,2063.75
no net on Power Plane (split plane): 49 vertices, not listed, extent 3815.35,1993.8 3885.3,2063.75
NetF3_1 on Power Plane (split plane): 49 vertices, not listed, extent 3735.18,2347.03 3805.12,2416.97
no net on Power Plane (split plane): 49 vertices, not listed, extent 3815.35,1463.8 3885.3,1533.75
+12VCC2 on Power Plane (split plane): 49 vertices, not listed, extent 1845.03,3817.03 1914.97,3886.97
no net on Power Plane (split plane): 49 vertices, not listed, extent 1445.03,3817.03 1514.97,3886.97
+12VCC2 on Power Plane (split plane): 1466.37,3368.2 1276.57,3368.2 1276.57,3518 1466.37,3518
no net on Power Plane (split plane): 49 vertices, not listed, extent 1045.03,3818.03 1113.97,3886.97
+12VCC2 on Power Plane (split plane): 1064.9,3367.1 875.1,3367.1 875.1,3516.9 1064.9,3516.9
+12VCC2 on Power Plane (split plane): 49 vertices, not listed, extent 645.03,3817.03 714.97,3886.97
+12VCC2 on Power Plane (split plane): 666.4,3367.1 476.59,3367.1 476.59,3516.9 666.4,3516.9
+12VCC1 on Power Plane (split plane): 17 vertices, not listed, extent 20.1,20.1 4079.9,1849.9
3.3VCC on Power Plane (split plane): 237 vertices, not listed, extent 20.1,1040.1 4079.9,3549.9
NRST on Power Plane (split plane): 66 vertices, not listed, extent 920.3,1057.33 3481.94,1244.94
HTBD on Power Plane (split plane): 19 vertices, not listed, extent 2019.1,3259.1 2566.9,3682.9
+12VCC2 on Power Plane (split plane): 59 vertices, not listed, extent 20.1,2820.1 3380.9,4029.9
VUSB on Power Plane (split plane): 18 vertices, not listed, extent 20.1,2045.1 1048.9,2966.9

## Keep-outs
Keep-Out Layer:
  the board outline again, w10

## Other copper
Ground Plane (plane layer: these items are gaps in the copper):
  lines w10: 0,2050 10,2040 ; 0,2880 0,3207.79 ; 78,2040 467,2040 541,2114 812,2385 812,2438 812,2950 790,2972 667,2972 586,2972 428,2814 319,2705 78,2705 ; 283,9 283,202 205,280 78,280 78,2705 ; 3750,2 3750,195 3910,355 3971.3,355 4020,355 4020,1660 4020,3355 4020,3560 4001.25,3578.75 4001.25,3700 3945,3700 3794.92,3850.08 3795,3850.08 3795,3989 301,3989 301,3754 85,3754 85,3300 78,3293 78,3285.79 78,2705 ; 471,3362 471,3522 672,3522 672,3362 471,3362 ; 870,3362 870,3522 1070,3522 1070,3362 870,3362 ; 1271,3362 1271,3522 1471,3522 1471,3362 1271,3362 ; 2126,3282 2327,3282 2327,3442 2126,3442 2126,3282
Power Plane (plane layer: these items are gaps in the copper):
  circle w10: c680,3852 r40
  circle w10: c1079,3853 r40
  circle w10: c1480,3852 r40
  circle w10: c1880,3852 r40
  circle w10: c2280,3852 r40
  circle w10: c3984.32,1498.78 r40
  circle w10: c3850.32,1498.78 r40
  circle w10: c3984.32,2028.78 r40
  circle w10: c3850.32,2028.78 r40
  circle w10: c680,3852 r40
  circle w10: c1080,3852 r40
  circle w10: c1480,3852 r40
  circle w10: c3131,3577 r20
  circle w10: c3542,3875 r20
  circle w10: c1880,3852 r40
  circle w10: c3770.15,2382 r40
  lines w8: 913,1170 913,1178 935,1200 966,1200 975,1191
  lines w10: -2,2705 319,2705 428,2814 586,2972 1041,2972 1054,2959 1054,2416 1039,2401 828,2401 552,2125 467,2040 0,2040 ; 0,0 1.16,1035 3481,1035 3780,1334 3780,1563.75 3780,2075 3760,2095 3760,2240 3700,2300 3683,2317 3683,2396 3809,2522 3965,2522 4018,2469 4018,1857 4018,1803 4100,1721 ; 10,3680 10,3445 300,3445 ; 300,3440 300,3326 1658,3326 1721,3263 1990,3263 2009,3282 2127,3282 2327,3282 2355,3254 2566.9,3254 ; 345,10 355,0 ; 2014,3282 2014,3688 2437.21,3688 ; 2438.21,3689 2572,3555.21 2572,3043 2800,2815 2945.2,2815 3103.2,2973 ; 2499,4049 2677,3871 2895,3871 2913,3853 2961,3805 2961,3571 2987,3545 3319,3545 3386,3478 3386,3185 3351,3150 3174,2973 ; 2988,4048 2988,3555 3327.76,3555 ; 3033.2,2902 3033.2,2666.8 3087,2613 3130,2613 3674,2613 3701,2640 3859,2640 3929,2710 3929,2856 3900,2885 3694,2885 3661,2885 ; 3295,3555 4100,3555 4100,3630 ; 3313,3112 3367,3058 3367,2812 3423,2756 3623,2756 3659,2792 3659,3033 3699,3073 3870,3073 3915,3118 3915,3245 3876,3284 3582,3284 3455,3157 3410,3157 3384,3183 ; 3780,1855 4018,1855 ; 4095,1290 4095,2715 ; 4100,2660 4100,2682 ; 3103.2,2973 3174,2973 ; 3103.2,2973 3174,2973 ; 471.5,3362 671.5,3362 671.5,3522 471.5,3522 471.5,3362 ; 870,3362 1070,3362 1070,3522 870,3522 870,3362 ; 1271.47,3363.1 1471.47,3363.1 1471.47,3523.1 1271.47,3523.1 1271.47,3363.1 ; 2126.5,3282 2326.5,3282 2326.5,3442 2126.5,3442 2126.5,3282
  lines w24: 913,1170 929,1154 946.14,1154 1054.86,1045.28 3432.02,1045.28 3451.77,1065.02 3482.28,1095.54 3482.28,1208.28 3494,1220 3494,1242 3479,1257 3452,1257 3437,1242 3437,1216 3444,1209 3443.9,1208.9 3443.9,1113.3 3417.22,1086.61 1067.39,1086.61 975,1179 975,1191

## Silkscreen, mask and mechanical layers (free items; w line width, h text height)
Top Overlay:
  circle w5: c485.57,2938.5 r42
  circle w12: c1276.57,1959.65 r6
  circle w12: c1273,2242.48 r6
  circle w20: c2433.07,3848.43 r10
  circle w24: c3775.59,823.82 r10
  circle w24: c2495,1723.36 r10
  circle w20: c47.24,3362.2 r10
  circle w20: c3207.68,1313.98 r12
  circle w5: c491.14,2933.07 r50.92
  circle w20: c3716.54,1212.6 r10
  circle w12: c2924.21,3186.02 r6
  circle w12: c2587.6,3646.65 r6
  circle w5: c77.76,2739.17 r5.02
  circle w12: c2081.57,3373.65 r6
  rectangle: 753.94,2974.41 1672.24,3245.41
  lines w10: 930.12,1779.53 930.12,1730.28 1069.88,1730.28 1069.88,1779.49 ; 933.07,2065 933.07,2015.75 1072.83,2015.75 1072.83,2064.96
  text "1" at 296,3766 h100
  text "FAN-1" at 34.45,3701.77 h80
  text "BED" at 3759,3678 h30
  text "+  -" at 56.1,3651.57 h40
  text "FET" at 3762,3604 h30
  text "FAN-2" at 1767,3577 h80 r90
  text "3" at 1302,3554 h100
  text "2" at 904,3553 h100
  text "BED" at 2120.92,3537.18 h100
  text "MOT" at 3762,3536 h30
  text "+-+-+-" at 3892,3528 h40 r90
  text "MOSFETs" at 2941,3519 h75
  text "HEATBED" at 3388,3519 h75
  text "RESET" at 246.22,3042.52 h75 r90
  text "PWR" at 36,2954 h30 r270
  text "UltiMachine" at 1273.62,2919.29 h40
  text "U" at 461.61,2909.45 h90
  text "R" at 39,2843 h30 r270
  text "ERASE" at 2068,2840 h75
  text "T" at 37,2784 h30 r270
  text "END" at 2252.51,2638.2 h40
  text "STOPS" at 2251.53,2584.07 h40
  text "+-S" at 2296,2538 h32
  text "MIN" at 2443,2444 h90 r90
  text "Archim" at 540,2351 h160
  text ".projectVersion" at 526.57,2291.34 h32
  text "MAX" at 2445,2256 h86 r90
  text "PWR IN" at 3781.5,2199.8 h40
  text "SC1" at 639.76,2179.13 h40
  text "S-+" at 2418.5,2149.56 h32
  text "XYZ" at 2430,2082 h90
  text "SC2" at 746.06,1714.57 h40
  text "THERM" at 2400.59,1608.27 h40
  text "XS" at 937.99,1585.63 h30
  text "XE" at 1040.35,1585.63 h30
  text "XD" at 1136.81,1585.63 h30
  text "GPIO" at 1753.94,1574.8 h40
  text "1-4" at 2480,1537.21 h90
  text "STEPPERS" at 2307.09,1358.27 h40
  text "Motors" at 3800,1310 h90
  text "Y1" at 1000,1309.06 h30
  text "YS" at 1096.46,1309.06 h30
  text "XD" at 1193.9,1309.06 h30
  text "Z1" at 1693.9,1301.18 h30
  text "ZS" at 1789.37,1301.18 h30
  text "ZD" at 1889.76,1287.4 h30
  text "E22" at 2918.31,1258.86 h30
  text "E2S" at 3038.39,1258.86 h30
  text "E2D" at 3289.37,1258.86 h30
  text "E1S" at 2405.51,1253.94 h30
  text "E1D" at 2648.62,1251.97 h30
  text "SERIAL" at 3419.29,1249.02 h40
  text "X2" at 370.08,1247.05 h30
  text "Y2" at 855.32,1239.17 h30
  text "Z2" at 1588.58,1236.22 h30
  text "X0" at 689.96,1227.36 h30
  text "E12" at 2225.39,1225.39 h30
  text "E11" at 2314.96,1225.39 h30
  text "Y0" at 993.11,1209.65 h30
  text "YE" at 1096.46,1209.65 h30
  text "Z0" at 1688.98,1207.68 h30
  text "ZE" at 1789.37,1207.68 h30
  text "E10" at 2396.65,1207.68 h30
  text "E1E" at 2501.97,1207.68 h30
  text "E21" at 3019.69,1207.68 h30
  text "E20" at 3111.22,1207.68 h30
  text "E2E" at 3214.57,1207.68 h30
  text "X1" at 375,1160.43 h30
  text "DEC" at 3372.57,1146.68 h30
  text "X" at 386.81,715.55 h150
  text "Y" at 1089.57,715.55 h150
  text "Z" at 1795.28,715.55 h150
  text "E1" at 2470.47,714.57 h150
  text "E2" at 3183.07,714.57 h150
  text "5V" at 3615.16,658.46 h70
  text "GND" at 3586.61,601.38 h70
  text "VMT" at 3586.61,542.32 h70
  text "GND" at 3586.61,480.32 h70
  text "PWR EXP" at 3750,478.35 h70 r90
Bottom Overlay:
  text "5V" at 3627.95,3726.38 h30 r270
  text "GND" at 3194,3704 h30
  text "HTBD" at 2065.29,3648.38 h30 r270
  text "VBED" at 2265.75,3648.38 h30 r270
  text "HTR1" at 474,3647 h30 r270
  text "HTR3" at 1270,3646 h30 r270
  text "HTR2" at 867,3643 h30 r270
  text "VHEAT" at 662.07,3618.39 h30 r270
  text "VHEAT" at 1062.99,3618.39 h30 r270
  text "VHEAT" at 1463.91,3618.39 h30 r270
  text "VHEAT" at 1864.83,3618.39 h30 r270
  text "FAN2" at 1669,3563 h30 r270
  text "FAN1" at 281,3396 h30 r270
  text "VHEAT" at 109,3333 h30 r270
  text "VHEAT" at 2959,3298 h30
  text "GND" at 3977,3271 h30 r270
  text "VBED" at 3397,3224 h30
  text "VIN BED" at 3603,3086 h30
  text "VIN FETs" at 3220,3033 h30
  text "GND" at 1281.5,3012.8 h30 r270
  text "PA1_CANRX0" at 1341.89,3012.8 h30 r270
  text "PA0_CANTX0" at 1394.26,3012.8 h30 r270
  text "PA14_RTS1" at 1446.64,3012.8 h30 r270
  text "PA15_CTS1" at 1499.02,3012.8 h30 r270
  text "3V3" at 2605.89,2956.54 h30 r270
  text "GND" at 3967,2956.63 h30 r270
  text "SWO/TDO" at 1795,2943 h30 r270
  text "5V" at 1281.5,2908.25 h30 r270
  text "TMS/SWDIO" at 1999,2892 h30 r270
  text "ERASE" at 2510,2827 h30 r270
  text "TDI" at 1793.31,2737.2 h30 r270
  text "PA16_SCK1" at 1394.26,2713.31 h30 r270
  text "PA12_RXD1" at 1446.64,2713.31 h30 r270
  text "PA13_TXD1" at 1499.02,2713.31 h30 r270
  text "Z-MIN" at 2685,2706 h30 r270
  text "PC2_PWML0" at 1341.89,2698.32 h30 r270
  text "TCK/SWCLK" at 1892.72,2550.2 h30 r270
  text "USBN" at 545.28,2484.25 h30
  text "3V3" at 2579,2444 h30
  text "GND" at 2694,2444 h30
  text "X-MIN" at 2855,2441 h30
  text "RESET" at 1628.94,2410.43 h30 r270
  text "USBP" at 639.76,2405.51 h30
  text "GND" at 2698.13,2387.8 h30
  text "3V3" at 2814.27,2387.8 h30
  text "X-MAX" at 2585.92,2387.27 h30
  text "GND" at 1281.5,2312.01 h30 r270
  text "PB25_TIOA0" at 1341.89,2312.01 h30 r270
  text "PA3_TIOB1" at 1394.26,2312.01 h30 r270
  text "PB27_TIOB0" at 1446.64,2312.01 h30 r270
  text "PA26_MOSI" at 1499.02,2312.01 h30 r270
  text "USBGND" at 192.91,2221.46 h30 r270
  text "VIN MOT" at 3939,2215 h30 r270
  text "3V3" at 1281.5,2175.58 h30 r270
  text "NRST" at 1333.87,2145.59 h30 r270
  text "USB5V" at 541.34,2121.06 h30 r270
  text "X-MAX" at 2484.25,2106.3 h30 r270
  text "PA29_CS" at 1446.64,2055.62 h30 r270
  text "X-MIN" at 2721.46,2007.95 h30 r270
  text "Y-MIN" at 3045.28,2007.95 h30 r270
  text "Y-MAX" at 2905.51,2002.95 h30 r270
  text "Z-MAX" at 3300.2,2002.95 h30 r270
  text "PA25_MISO" at 1394.26,2000.63 h30 r270
  text "PA27_SCLK" at 1499.02,1995.64 h30 r270
  text "FGND" at 3948,1699 h30 r270
  text "T1" at 2614.17,1677.17 h30 r270
  text "T4" at 3313.98,1665.35 h30 r270
  text "T2" at 2791.34,1664.37 h30 r270
  text "T3" at 3062.01,1661.42 h30 r270
  text "GND" at 1232.28,1573.82 h30 r270
  text "PA18_SCL" at 1299.45,1573.82 h30 r270
  text "PB13_AD9" at 1358.6,1573.82 h30 r270
  text "PB14_PWMH2" at 1417.76,1573.82 h30 r270
  text "PB15_DAC0" at 1476.91,1573.82 h30 r270
  text "PB9_EMDIO" at 1536.06,1573.82 h30 r270
  text "PB8_EMDC" at 1595.21,1573.82 h30 r270
  text "PB6_ERX1" at 1654.37,1573.82 h30 r270
  text "PB3_ETX1" at 1713.52,1573.82 h30 r270
  text "PB1_ETXEN" at 1772.67,1573.82 h30 r270
  text "PA26_MOSI" at 1831.82,1573.82 h30 r270
  text "PB21_CS2" at 1890.98,1573.82 h30 r270
  text "OVREF" at 2938.98,1520.67 h30 r270
  text "PA26_MOSI" at 2682.09,1479.33 h30
  text "5V" at 3501.97,1316.27 h30 r270
  text "GND" at 3599.41,1286.28 h30 r270
  text "FLSH_CS" at 3038.39,1262.8 h30 r270
  text "3V3" at 1233.27,1260.66 h30 r270
  text "NRST" at 1410.13,1230.67 h30 r270
  text "VMOT" at 3872.05,1190.94 h30 r270
  text "HOLD#" at 2608.27,1176.18 h30 r270
  text "PA9_UTXD" at 3300.2,1136.33 h30 r270
  text "PA8_URXD" at 3398.62,1136.33 h30 r270
  text "PA17_SDA" at 1300.24,1115.71 h30 r270
  text "PB12_AD8" at 1359.19,1115.71 h30 r270
  text "PA25_MISO" at 2809.06,1112.2 h30 r270
  text "PB5_ERX0" at 1653.95,1110.71 h30 r270
  text "PB2_ETX0" at 1712.9,1110.71 h30 r270
  text "PA27_SCLK" at 2710.63,1101.38 h30 r270
  text "PB16_DAC1" at 1477.09,1095.72 h30 r270
  text "PA25_MISO" at 1830.81,1085.72 h30 r270
  text "PB7_ERXER" at 1536.05,1080.72 h30 r270
  text "PB0_ETXCK" at 1771.86,1080.72 h30 r270
  text "PA27_SCLK" at 1889.76,1080.72 h30 r270
  text "PB4_ECRSDV" at 1595,1050.73 h30 r270
  text "5V" at 3837.6,742.13 h30
  text "GND" at 3840.55,640.75 h30
  text "XREF" at 672.24,609.25 h30 r270
  text "YREF" at 1370.08,607.28 h30 r270
  text "ZREF" at 2079.72,605.32 h30 r270
  text "E1REF" at 2790.35,582.68 h30 r270
  text "E2REF" at 3494.09,573.82 h30 r270
  text "VMOT" at 3838.58,539.37 h30
  text "X-A1" at 262.68,519.09 h30 r270
  text "X-B1" at 462.68,519.09 h30 r270
  text "Y-A1" at 967.01,519.09 h30 r270
  text "Y-B1" at 1159.19,519.09 h30 r270
  text "Z-A1" at 1666.18,519.09 h30 r270
  text "Z-B1" at 1866.18,519.09 h30 r270
  text "X-A2" at 362.68,509.09 h30 r270
  text "X-B2" at 562.68,509.09 h30 r270
  text "Y-A2" at 1059.19,509.09 h30 r270
  text "Y-B2" at 1259.19,509.09 h30 r270
  text "Z-A2" at 1766.18,509.09 h30 r270
  text "Z-B2" at 1966.18,509.09 h30 r270
  text "E1-A1" at 2375,494.09 h30 r270
  text "E1-B1" at 2575.79,494.09 h30 r270
  text "E2-A1" at 3086.38,488.36 h30 r270
  text "E2-B1" at 3287.4,488.36 h30 r270
  text "E1-A2" at 2477.36,484.1 h30 r270
  text "E1-B2" at 2678.15,484.1 h30 r270
  text "E2-A2" at 3185.04,478.37 h30 r270
  text "E2-B2" at 3383.86,478.37 h30 r270
  text "GND" at 3838.58,437.99 h30
  text "E2-A1" at 3328.5,229.19 h30 r270
  text "E2-A2" at 3427.17,229.19 h30 r270
  text "E2-B1" at 3529.53,229.19 h30 r270
  text "E2-B2" at 3625.98,229.19 h30 r270
  text "Z-A1" at 2141.89,227.64 h30 r270
  text "Z-A2" at 2241.89,227.64 h30 r270
  text "Z-B1" at 2341.89,227.64 h30 r270
  text "Z-B2" at 2441.89,227.64 h30 r270
  text "Y-A1" at 1031.97,226.69 h30 r270
  text "Y-A2" at 1124.15,226.69 h30 r270
  text "Y-B1" at 1224.15,226.69 h30 r270
  text "Y-B2" at 1324.15,226.69 h30 r270
  text "X-A1" at 437.87,225.94 h30 r270
  text "X-A2" at 537.87,225.94 h30 r270
  text "X-B1" at 637.87,225.94 h30 r270
  text "X-B2" at 737.87,225.94 h30 r270
  text "E1-A1" at 2731.3,226.38 h30 r270
  text "E1-A2" at 2833.66,226.38 h30 r270
  text "E1-B1" at 2932.09,226.38 h30 r270
  text "E1-B2" at 3034.45,226.38 h30 r270
  text "Z-A1" at 1633.7,224.68 h30 r270
  text "Z-A2" at 1733.7,224.68 h30 r270
  text "Z-B1" at 1833.7,224.68 h30 r270
  text "Z-B2" at 1933.7,224.68 h30 r270
Mechanical 15:
  the board outline again, w10

## Dimensions
0,4050 to 4100,4050 on Mechanical 8
3950,3900 to 150,3900 on Mechanical 8
150,3900 to 150,150 on Mechanical 8
0,0 to 0,4050 on Mechanical 8
0,4065 to 150,3900 on Mechanical 8
0,4050 to 150,3900 on Mechanical 8
-28,3135 to 0,0 on Mechanical 8

## Text inside footprints (layer, text, board x,y; h text height)
J1: Top Overlay "4" at 980,3767 h77.5; Top Overlay "3" at 780,3767 h77.5; Top Overlay "2" at 580,3767 h77.5; Top Overlay "1" at 395,3767 h77.5; Top Overlay "+    -    +    -    +    -    +    -    +    -" at 2295,4037 h40 r180
J2: Mechanical 8 "1" at 61.5,3482.5 h62
J3: Top Overlay "5" at 3855.63,3082.48 h77.5 r90; Top Overlay "6" at 3855.63,3282.48 h77.5 r90; Top Overlay "4" at 3855.63,2882.48 h77.5 r90; Top Overlay "3" at 3855.63,2682.48 h77.5 r90; Top Overlay "2" at 3855.63,2482.48 h77.5 r90; Top Overlay "1" at 3855.63,2297.48 h77.5 r90
J5: Mechanical 8 "1" at 2819.5,2611.5 h62 r180
J6: Mechanical 8 "1" at 3230,2611.5 h62 r180
J7: Mechanical 8 "1" at 3640.5,2611.5 h62 r180
J9: Mechanical 8 "1" at 2494.5,2246.5 h62
J10: Mechanical 8 "1" at 2905,2246.5 h62
J11: Mechanical 8 "1" at 3315.5,2246.5 h62
J14: Mechanical 8 "1" at 2550.5,1800.5 h62
J15: Mechanical 8 "1" at 2867.5,1800.5 h62
J16: Mechanical 8 "1" at 3182.5,1800.5 h62
J17: Mechanical 8 "1" at 3495.5,1800.5 h62
J20: Top Overlay "1" at 1972.44,1520.67 h30
U11: Top Overlay "TQFP 144" at 1778.05,2244.46 h49.6 r270; Top Overlay "R" at 1833.56,1999.83 h37.2 r270